# Altium PCB SVEC.pcbdoc (part 2 of 18)
Units mil, origin at the board's own origin, x right, y up, seen from the top; angles counter-clockwise.
Board outline 6349.25 x 9237.04 mil, 10 copper layers (Top Layer, L2 GND, L3, L4 PWR3.3, L5, L6, L7 GND, L8, L9 PWR, Bottom Layer), stack 58.268 mil thick; 906 components, 904 nets, 4753 pads, 3116 vias.
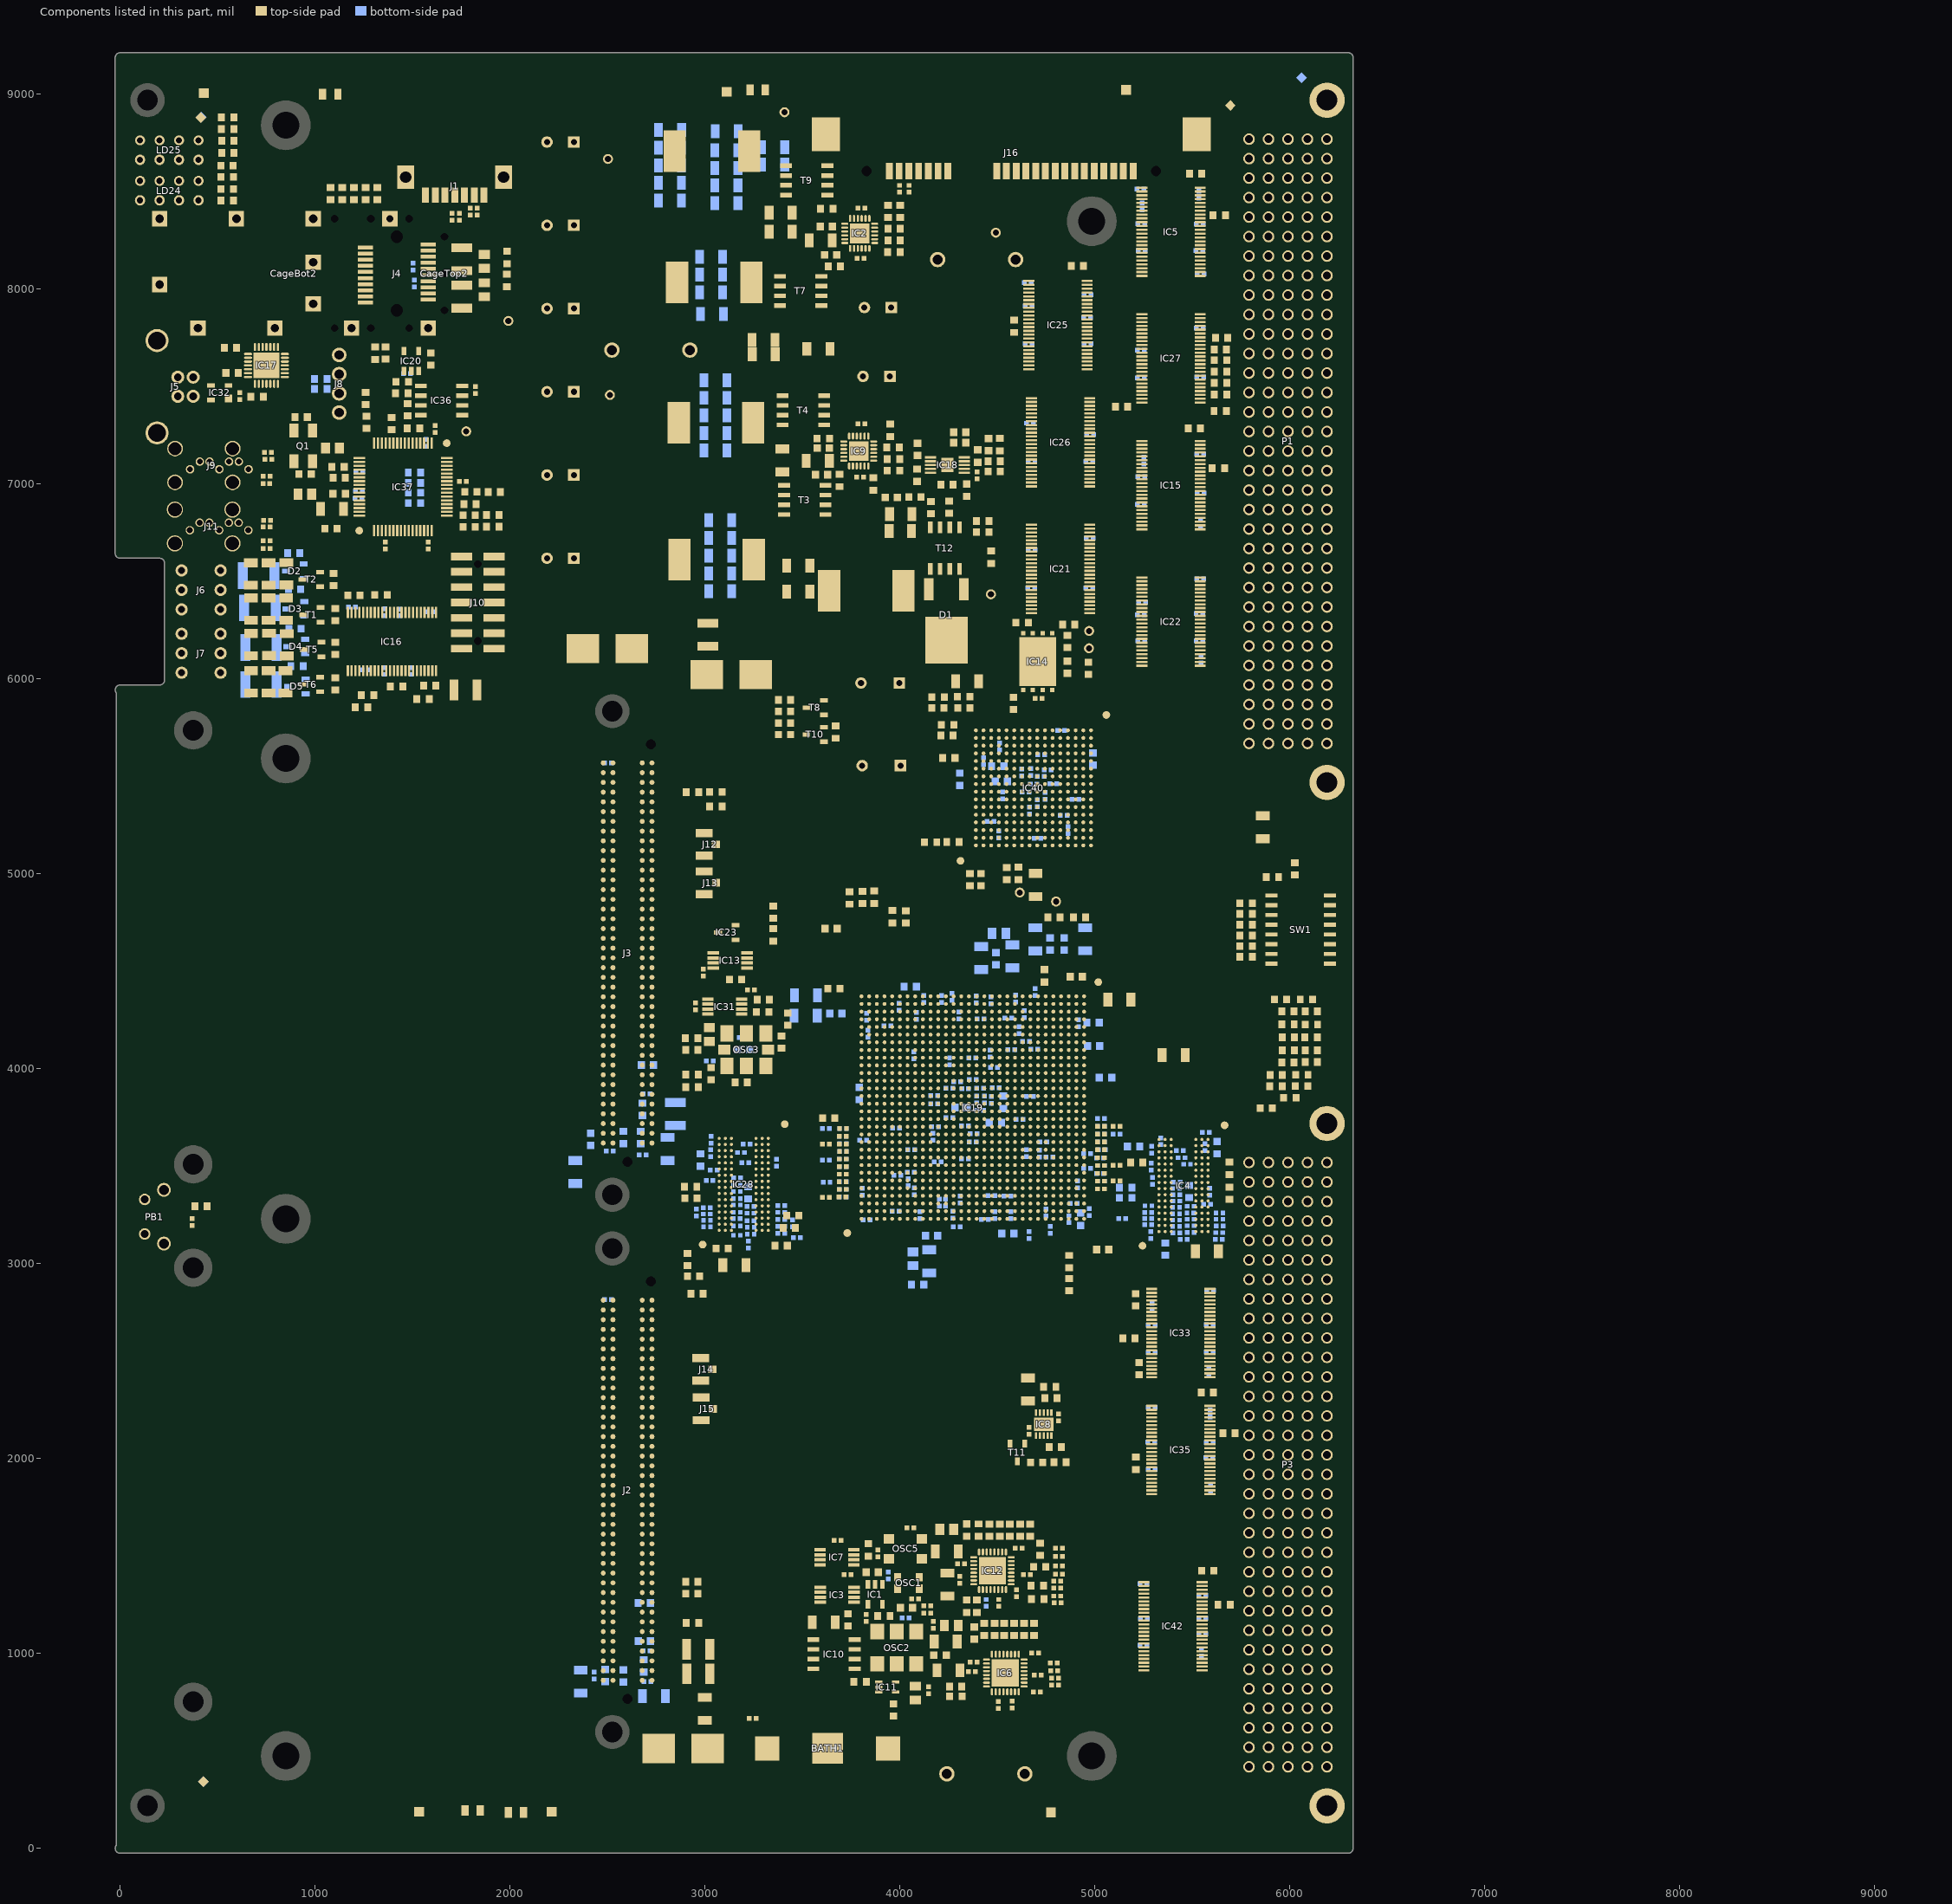
[diagram p10: the components of this part, seen from the top]

## Components (designator, comment, footprint, x,y, rotation, side; value= is the part's Value field where it differs from the comment) (continued)
C378 "100nF" CAPC1005X55N 4771.55,3172.51 r270 bottom
C379 "22uF" CAPC3216X180N 5125.55,4353.51 r180 top
C380 "22uF" CAPC3216X180N 3517.55,4376.51 r0 bottom
C381 "22uF" CAPC3216X180N 4417.55,4567.51 r90 bottom
C382 "22uF" CAPC3216X180N 5403.55,4069.51 r180 top
C383 "100nF" CAPC1005X55N 3470.69,3133.64 r180 bottom
C384 "100nF" CAPC1005X55N 4058.55,3584.51 r180 bottom
C385 "100nF" CAPC1005X55N 3028.55,3565.51 r90 bottom
C386 "100nF" CAPC1005X55N 4807.69,1371.64 r180 top
C387 "100nF" CAPC1005X55N 4041.69,3417.64 r270 bottom
C388 "100nF" CAPC1005X55N 3366.55,3517.51 r90 bottom
C389 "100nF" CAPC1005X55N 3044.55,3479.51 r0 bottom
C390 "100nF" CAPC1005X55N 2501.55,2814.51 r180 bottom
C391 "100nF" CAPC1005X55N 3828.69,3223.64 r0 bottom
C392 "100nF" CAPC1005X55N 4808.69,1259.64 r180 top
C393 "100nF" CAPC1005X55N 3023.55,3426.51 r0 bottom
C394 "100nF" CAPC1005X55N 3031.55,3634.51 r90 bottom
C395 "1uF" CAPC1608X87N 3390.55,3092.51 r180 top
C396 "1uF" CAPC1608X87N 2976.55,3531.51 r90 bottom
C397 "100nF" CAPC1005X55N 3620.69,3612.64 r0 top
C398 "100nF" CAPC1005X55N 3449.55,3207.51 r90 bottom
C399 "100nF" CAPC1005X55N 3620.55,3692.51 r0 bottom
C400 "100nF" CAPC1005X55N 3623.55,3418.51 r0 bottom
C401 "100nF" CAPC1005X55N 3214.55,3612.51 r180 bottom
C402 "100nF" CAPC1005X55N 3163.69,3439.64 r0 bottom
C403 "100nF" CAPC1005X55N 3619.55,3531.51 r0 bottom
C404 "100nF" CAPC1005X55N 3620.55,3340.51 r0 top
C405 "100nF" CAPC1005X55N 2955.55,3262.51 r270 bottom
C406 "100nF" CAPC1005X55N 3222.69,3096.64 r90 bottom
C407 "100nF" CAPC1005X55N 4814.69,1539.64 r180 top
C408 "100nF" CAPC1005X55N 4814.69,1406.64 r180 top
C412 "10uF" CAPC3225X270N 3014.18,6225.79 r90 top
C431 "1uF" CAPC1608X87N 2688.55,1259.51 r180 bottom
C435 "150uF" CAPPR500-1050X800 3904.55,5554.51 r180 top
C436 "100nF" CAPC1005X55N 5542.55,6798.51 r90 bottom
C437 "100nF" CAPC1005X55N 5236.55,7685.51 r180 bottom
C447 "100nF" CAPC1005X55N 5588.55,2082.51 r180 bottom
C453 "1uF" CAPC1608X87N 4205.55,991 r180 top
C457 "100nF" CAPC1005X55N 5251.55,7119.51 r270 bottom
C464 "100nF" CAPC1005X55N 4667.55,7311.51 r180 bottom
C465 "100nF" CAPC1005X55N 5550.55,1099.51 r0 bottom
C468 "1uF" CAPC1608X87N 3857.55,1417 r180 top
C500 "100nF" CAPC1005X55N 5236.55,6328.51 r0 bottom
C501 "100nF" CAPC1005X55N 4971.55,6465.51 r180 bottom
C506 "100nF" CAPC1005X55N 5238.55,7036.51 r0 bottom
C507 "100nF" CAPC1005X55N 5236.55,6895.51 r180 bottom
C512 "100nF" CAPC1005X55N 5235.55,7544.51 r180 bottom
C513 "100nF" CAPC1005X55N 4961.55,7718.51 r180 bottom
C516 "100nF" CAPC1005X55N 4660.55,7913.51 r180 bottom
C517 "100nF" CAPC1005X55N 4660.55,7719.51 r0 bottom
C519 "100nF" CAPC1005X55N 5238.55,6195.51 r180 bottom
C520 "100nF" CAPC1005X55N 5550.55,1180.51 r0 bottom
C521 "100nF" CAPC1005X55N 4959.55,7853.51 r180 bottom
C522 "100nF" CAPC1005X55N 4975.55,7252.51 r0 bottom
CageBot2 "SFP" TYCO_6367034-1 1419.55,8079.51 r0 top locked
CageTop2 "SFP" TYCO_6367035-1 1419.55,8079.51 r0 top locked
D1 "50WQ06FNPbF" TO228P991X239-3N-R546X521 4238.55,6296.51 r270 top
D2 "BAR66" SOT95P240X110-3N 896.55,6552.51 r180 bottom
D3 "BAR66" SOT95P240X110-3N 899.69,6358.64 r180 bottom
D4 "BAR66" SOT95P240X110-3N 903.55,6165.51 r180 bottom
D5 "BAR66" SOT95P240X110-3N 906.69,5960.64 r180 bottom
F1 "3A-125V" FUSE_LITTELFUSE_0154 3134.55,6021.51 r180 top
F2 "0.14A-60V" FUSRC4632X90N 710.55,6529.51 r180 bottom
F3 "3A-125V" FUSE_LITTELFUSE_0154 2888.55,512.51 r180 top
F4 "3A-125V" FUSE_LITTELFUSE_0154 2499.55,6155.51 r0 top
F5 "0.14A-60V" FUSRC4632X90N 717.55,6364.51 r180 bottom
F6 "0.14A-60V" FUSRC4632X90N 722.55,6160.51 r180 bottom
F7 "0.14A-60V" FUSRC4632X90N 722.55,5971.51 r180 bottom
FTG1 "Use only in PCB" FIDUCIAL_TOP_S100-200 5694.55,8941.51 r90 top
FTG2 "Use only in PCB" FIDUCIAL_TOP_S100-200 414.55,8879.51 r90 top
FTG3 "Use only in PCB" FIDUCIAL_TOP_S100-200 427.55,342.51 r90 top
FTG4 "Use only in PCB" FIDUCIAL_TOP_S100-200 415.55,8881.51 r270 bottom
FTG5 "Use only in PCB" FIDUCIAL_TOP_S100-200 427.55,342.51 r270 bottom
FTG6 "Use only in PCB" FIDUCIAL_TOP_S100-200 6060.55,9083.51 r270 bottom
IC1 "LP5951MF-3.0/NOPB" SOT95P284X122-5N 3872.55,1303 r270 top
IC2 "TPS53126RGET" QFN50P400X400X100-25N-S255 3793.92,8284.88 r180 top
IC3 "AD5662BRMZ-1" SOP65P490X110-8N 3677.55,1301 r180 top locked
IC4 "MT41J128M16HA-15E" BGA96C80P9X16_900X1400X120 5454.55,3400.51 r0 top locked
IC5 "SN74VMEH22501DGGR" SOP50P810X120-48N 5390.55,8293.51 r0 top
IC6 "CDCM61004RHBT" QFN50P500X500X100-33N-S355 4540.55,899.51 r180 top
IC7 "AD5662BRMZ-1" SOP65P490X110-8N 3676.55,1493 r180 top
IC8 "TPS51200DRCT" SON50P300X300X100-11N-R175X250 4737.55,2176.51 r270 top
IC9 "TPS53126RGET" QFN50P400X400X100-25N-S255 3788.55,7168.51 r180 top locked
IC10 "LM336M-2.5/NOPB" SOIC127P600X175-8N 3661.55,996 r180 top
IC11 "SN74LVC1GU04DCK" SOT65P210X110-5N 3934.55,827 r0 top
IC12 "CDCM61004RHBT" QFN50P500X500X100-33N-S355 4474.55,1424 r180 top locked
IC13 "DS18B20U+" SOP65P490X110-8N 3129.55,4555.51 r180 top
IC14 "M25P128-VME6G" PSON127P800X600X100-9N-R640X480 4706.55,6088.51 r270 top
IC15 "SN74VMEH22501DGGR" SOP50P810X120-48N 5390.55,6993.51 r0 top
IC16 "SN74VMEH22501DGGR" SOP50P810X120-48N 1394.55,6191.51 r90 top
IC17 "CP2103-GM" QFN50P500X500X100-29N-S335 750.69,7607.64 r0 top locked
IC18 "TPS40210DGQ" SOP50P490X110-11N-R157X188 4243.69,7096.64 r180 top
IC19 "XC6SLX150T-2FGG900C" BGA900C100P30X30_3100X3100X260 4373.55,3800.51 r180 top locked
IC20 "SN65LVDS2DBVR" SOT95P280X145-5N 1493.55,7630.51 r90 top
IC21 "SN74VMEH22501DGGR" SOP50P810X120-48N 4823.55,6563.51 r0 top
IC22 "SN74VMEH22501DGGR" SOP50P810X120-48N 5390.55,6293.51 r0 top
IC23 "MCP809T-315I/TT" SOT95P237X112-3N 3111.55,4698.51 r180 top
IC25 "SN74VMEH22501DGGR" SOP50P810X120-48N 4810.55,7814.51 r0 top
IC26 "SN74VMEH22501DGGR" SOP50P810X120-48N 4823.55,7213.51 r0 top
IC27 "SN74VMEH22501DGGR" SOP50P810X120-48N 5390.55,7643.51 r0 top
IC28 "MT41J128M16HA-15E" BGA96C80P9X16_900X1400X120 3198.55,3406.51 r0 top locked
IC31 "24LC64-I/MS" SOP65P490X110-8N 3101.55,4318.51 r0 top
IC32 "PRTR5V0U2X" SOT190P230X110-4N 510.69,7467.64 r180 top
IC33 "SN74VMEH22501DGGR" SOP50P810X120-48N 5440.55,2643.51 r0 top
IC35 "SN74VMEH22501DGGR" SOP50P810X120-48N 5440.55,2043.51 r0 top
IC36 "M93C46-MN6P" SOIC127P600X175-8N 1648.99,7427.51 r0 top
IC37 "FT2232HL" QFP50P1200X1200X160-64N 1450.99,6984.51 r0 top locked
IC40 "XC6SLX9-2FTG256C" BGA256C100P16X16_1700X1700X155 4684.55,5440.51 r180 top locked
IC42 "SN74VMEH22501DGGR" SOP50P810X120-48N 5400.55,1139.51 r0 top
J1 "SATA" 3M_5607-4200-SH 1716.07,8480.73 r180 top locked
J2 "VITA 57" SAMTEC_ASP-134603-01 2603.05,1837.26 r90 top locked
J3 "VITA 57" SAMTEC_ASP-134603-01 2603.05,4593.51 r90 top locked
J4 "SFP" TYCO_1367073-1 1419.55,8079.51 r0 top locked
J5 "USB" TYCO_292304-1 335.55,7498.51 r270 top locked
J6 "LEMO 00" LEMO_EPY.00.250.NTNY 415.55,6456.01 r180 top locked
J7 "LEMO 00" LEMO_EPY.00.250.NTNY 415.55,6131.01 r180 top locked
J8 "KK®" MOLEX_22-04-1041 1123.69,7513.64 r90 top
J9 "E-SATA" FCI_10074141-001LF#1 429.55,7094.51 r270 top locked
J10 "Milli-Grid" MOLEX_87832-1420 1834.55,6391.51 r270 top locked
J11 "E-SATA" FCI_10074141-001LF#2 428.55,6781.51 r270 top
J12 "U.FL" HIROSE_U.FL-R-SMT-1(10) 2995.69,5150.64 r90 top
J13 "U.FL" HIROSE_U.FL-R-SMT-1(10) 2996.55,4953.64 r90 top
J14 "U.FL" HIROSE_U.FL-R-SMT-1(10) 2977.69,2457.64 r90 top
J15 "U.FL" HIROSE_U.FL-R-SMT-1(10) 2980.69,2254.64 r90 top
J16 "SATA" MOLEX_87703-0001 4570.69,8604.64 r180 top locked
L1 "220R@100MHz" INDC2012X105N 4263.55,1143 r180 top
L2 "220R@100MHz" INDC2012X105N 4240,1637 r180 top
L3 "1.5uH" IND_BOURNS_SRR1260 3059.55,6611.51 r180 top
L4 "1.5uH" IND_BOURNS_SRR1260 3056.55,7313.51 r180 top
L5 "220R@100MHz" INDC2012X105N 1868.55,8141.51 r90 top
L6 "220R@100MHz" INDC2012X105N 3022.55,4175.51 r90 top
L7 "220R@100MHz" INDC2012X105N 947.69,6947.64 r0 top
L8 "220R@100MHz" INDC2012X105N 4066.69,3024.64 r90 bottom
L9 "220R@100MHz" INDC2012X105N 4507.55,4694.51 r0 bottom
L10 "220R@100MHz" INDC2012X105N 1089.55,7183.51 r0 top
L11 "220R@100MHz" INDC2012X105N 1867.55,7995.51 r270 top
L12 "1.5uH" IND_BOURNS_SRR1260 3047.55,8033.51 r180 top
L13 "1.5uH" IND_BOURNS_SRR1260 3035.55,8707.51 r180 top
L14 "1.5uH" IND_BOURNS_SRR1260 3827.55,6451.51 r0 top
L21 "220R@100MHz" INDC2012X105N 4078.55,797 r270 top
LD5 "Red" LEDC1608X80N_RED 6059.69,3911.64 r0 top
LD7 "Red" LEDC1608X80N_RED 3407.88,5713.98 r180 top
LD8 "Red" LEDC1608X80N_RED 5999.69,3851.64 r0 top
LD9 "Red" LEDC1608X80N_RED 6084.69,4355.64 r0 top
LD10 "Red" LEDC1608X80N_RED 6061.69,3968.64 r0 top
LD12 "Red" LEDC1608X80N_RED 4195.69,5906.64 r180 top
LD15 "Red" LEDC1608X80N_RED 1985.74,8161.69 r270 top
LD17 "Red" LEDC1608X80N_RED 3407.88,5832.09 r180 top
LD18 "Red" LEDC1608X80N_RED 4194.69,5850.64 r180 top
LD19 "Red" LEDC1608X80N_RED 4701.55,1979.51 r0 top
LD24 "HE Red" LED_BIVAR_H485CHDL 252.55,8504.51 r0 top
LD25 "HE Red" LED_BIVAR_H485CHDL 252.55,8712.51 r0 top locked
OSC1 "25MHz" OSC_RAKON_IVT3200C 4043.55,1362 r270 top
OSC2 "20MHz" OSC_IQD_CFPV-45 3983.55,1030 r270 top
OSC3 "10-280MHz" OSC_SILICON-LAB_SI570 3211.55,4097.51 r90 top
OSC5 "25MHz" OSCCC320X500X160-4N 4028.55,1537 r270 top
P1 "HAR-BUS 64" "HARTING_02 01 160 2101" 6190.55,8768.51 r0 top locked
P3 "HAR-BUS 64" "HARTING_02 01 160 2101" 6190.55,3518.51 r0 top locked
PB1 "Push Button" PB_ALPS_SKHHLQA010 175.55,3240.51 r0 top
Q1 "12MHZ" XTAL_ABRACON_ABM3B 939.69,7194.64 r180 top
R1 "0" RESC1608X55N 4433.08,1123 r270 top
R2 "1k1" RESC1608X55N 5878.69,3797.64 r0 top
R3 "1k1" RESC1608X55N 5951.55,4355.51 r0 top
R4 "0" RESC1608X55N 4403.55,1633 r270 top
R5 "0" RESC1608X55N 4563.55,1632 r270 top
R6 "0" RESC1608X55N 4342.55,1242 r90 top
R7 "1k1" RESC1608X55N 5929.55,3967.51 r0 top
R8 "0" RESC1608X55N 4394.55,1242 r90 top
R9 "240" RESC1608X55N 3917.55,1192 r180 top
R10 "0" RESC1608X55N 4511.55,1632 r270 top
R11 "5k1" RESC1608X55N 3606.55,7232.51 r0 top
R12 "5k1" RESC1608X55N 3663.78,8115.55 r0 top
R13 "39" RESC1608X55N 3350.55,4802.51 r270 top
R14 "5k1" RESC1608X55N 4867.55,3010.51 r90 top
R15 "240" RESC1608X55N 3838,1531 r90 top
R16 "100" RESC1608X55N 3031.55,3974.51 r270 top
R17 "0" RESC1608X55N 4867.55,2891.51 r90 top
R18 "5k1" RESC1608X55N 3392.55,4136.51 r90 top
R19 "5k1" RESC1608X55N 3424.55,4254.51 r270 top
R20 "5k1" RESC1608X55N 3185.55,3929.51 r180 top
R21 "5k1" RESC1608X55N 3961.55,4779.51 r270 top
R22 "3k3" RESC1608X55N 3966.55,7127.51 r180 top
R23 "0" RESC1608X55N 4458.55,1632 r270 top
R24 "0" RESC1608X55N 4668.55,1632 r270 top
R25 "0" RESC1608X55N 4616.55,1632 r270 top
R26 "7k5" RESC1608X55N 3938.92,8397.88 r270 top
R27 "39" RESC1608X55N 3795.69,854.64 r180 top
R28 "150" RESC3216X65N 669.69,6537.64 r90 top
R29 "1k1" RESC1608X55N 2932.55,1367.51 r180 top
R30 "1k1" RESC1608X55N 2932.55,1306.51 r180 top
R31 "150" RESC3216X65N 762.55,6357.51 r90 top
R32 "4k7" RESC1608X55N 6110.55,4226.51 r180 top
R33 "4k7" RESC1608X55N 6109.55,4293.51 r180 top
R34 "4k7" RESC1608X55N 3157.55,4457.51 r180 top
R35 "4k7" RESC1608X55N 6109.55,4094.51 r180 top
R36 "240" RESC1608X55N 4719.55,1534.51 r90 top
R37 "150" RESC3216X65N 671.55,6357.51 r90 top
R38 "4k7" RESC1608X55N 6109.55,4033.51 r180 top
R39 "51" RESC1005X40N 5416.55,3288.51 r0 bottom
R40 "51" RESC1005X40N 5274.55,3296.51 r180 bottom
R41 "51" RESC1005X40N 5417.55,3352.51 r0 bottom
R42 "51" RESC1005X40N 5417.55,3157.51 r0 bottom
R43 "51" RESC1005X40N 5490.55,3194.51 r180 bottom
R44 "51" RESC1005X40N 5416.55,3191.51 r0 bottom
R45 "51" RESC1005X40N 5273.55,3199.51 r180 bottom
R46 "51" RESC1005X40N 5273.55,3230.51 r180 bottom
R47 "51" RESC1005X40N 5273.55,3262.51 r180 bottom
R48 "51" RESC1005X40N 5490.55,3227.51 r180 bottom
R49 "51" RESC1005X40N 5025.55,3542.51 r0 bottom
R50 "51" RESC1005X40N 5030.55,3503.51 r0 bottom
R51 "1k1" RESC1608X55N 2931.55,4156.51 r180 top
R52 "51" RESC1005X40N 5030.55,3703.51 r0 top
R53 "51" RESC1005X40N 5030.55,3623.51 r0 top
R54 "51" RESC1005X40N 5035.55,3583.51 r0 bottom
R55 "51" RESC1005X40N 5030.55,3743.51 r0 bottom
R56 "51" RESC1005X40N 5030.55,3463.51 r0 top
R57 "51" RESC1005X40N 5030.55,3383.51 r0 top
R58 "51" RESC1005X40N 5030.55,3503.51 r0 top
R59 "51" RESC1005X40N 4960.55,3488.51 r0 bottom
R60 "5k1" RESC1608X55N 3863.55,6999.51 r270 top
R61 "51" RESC1005X40N 5638.55,3259.51 r0 bottom
R62 "51" RESC1005X40N 5417.55,3320.51 r0 bottom
R63 "51" RESC1005X40N 5416.55,3385.51 r0 bottom
R64 "51" RESC1005X40N 5489.55,3259.51 r180 bottom
R65 "51" RESC1005X40N 5490.55,3294.51 r180 bottom
R66 "51" RESC1005X40N 5637.55,3158.51 r0 bottom
R67 "51" RESC1005X40N 5639.55,3192.51 r0 bottom
R68 "51" RESC1005X40N 5638.55,3227.51 r0 bottom
R69 "51" RESC1005X40N 5416.55,3223.51 r0 bottom
R70 "51" RESC1005X40N 5416.55,3255.51 r0 bottom
R71 "51" RESC1005X40N 5030.55,3583.51 r0 top
R72 "51" RESC1005X40N 5030.55,3543.51 r0 top
R73 "51" RESC1005X40N 5444.55,3543.51 r0 bottom
R74 "51" RESC1005X40N 5030.55,3663.51 r0 top
R75 "51" RESC1005X40N 5030.55,3623.51 r0 bottom
R76 "51" RESC1005X40N 5030.55,3663.51 r0 bottom
R77 "51" RESC1005X40N 5030.55,3703.51 r0 bottom
R78 "51" RESC1005X40N 5030.55,3423.51 r0 top
R79 "51" RESC1005X40N 5030.55,3423.51 r0 bottom
R80 "51" RESC1005X40N 4960.55,3563.51 r0 bottom
R81 "51" RESC1005X40N 5026.55,3461.51 r0 bottom
R82 "1k1" RESC1608X55N 549.55,8453.51 r180 top
R83 "1k1" RESC1608X55N 549.55,8512.51 r180 top
R84 "1k1" RESC1608X55N 2932.55,4096.51 r180 top
R85 "51" RESC1005X40N 5491.55,3159.51 r180 bottom
R86 "5k1" RESC1608X55N 415.55,3294.51 r180 top
R87 "5k1" RESC1608X55N 5157.55,3389.51 r0 bottom
R88 "5k1" RESC1608X55N 5689.55,3488.51 r270 top
R89 "1k1" RESC1608X55N 549.55,8574.51 r180 top
R90 "5k1" RESC1608X55N 5360.55,3074.51 r90 bottom
R91 "100" RESC1608X55N 5214.55,3518.51 r0 top
R92 "150" RESC3216X65N 851.55,6357.51 r90 top
R93 "3k3" RESC1608X55N 3808.55,4878.51 r90 top
R94 "51" RESC1005X40N 5472.55,3509.51 r180 bottom
R95 "1k1" RESC1608X55N 548.55,8632.51 r180 top
R96 "1k1" RESC1608X55N 552.55,8698.51 r180 top
R97 "39" RESC1608X55N 3661.55,4410.51 r0 top
R98 "1k1" RESC1608X55N 552.55,8759.51 r180 top
R99 "1k1" RESC1608X55N 551.55,8820.51 r180 top
R100 "1k1" RESC1608X55N 551.55,8880.51 r180 top
R101 "2M2" RESC2012X60N 2030.55,184.51 r180 top
R102 "2M2" RESC2012X60N 1808.55,194.51 r180 top
R103 "2M2" RESC2012X60N 3270.08,9021.07 r0 top
R104 "2M2" RESC2012X60N 1077.69,8999.64 r180 top
R105 "100" RESC1608X55N 1593.55,7640.51 r90 top
R106 "150" RESC3216X65N 763.55,6176.51 r90 top
R107 "0" RESC1608X55N 1361.55,7671.51 r270 top
R108 "150" RESC3216X65N 671.55,6175.51 r90 top
R109 "100" RESC1608X55N 1307.69,7670.64 r90 top
R110 "100" RESC1608X55N 5482.55,3369.51 r270 bottom
R111 "150" RESC3216X65N 855.55,6174.51 r90 top
R112 "1k1" RESC1608X55N 1983.74,8043.69 r270 top
R113 "150" RESC3216X65N 761.55,5984.51 r90 top
R114 "150" RESC3216X65N 848.55,5984.51 r90 top
R115 "150" RESC3216X65N 671.55,5984.51 r90 top
R116 "150" RESC3216X65N 853.55,6538.51 r90 top
R117 "150" RESC3216X65N 761.55,6537.51 r90 top
R118 "240" RESC1608X55N 3868.55,4879.51 r270 top
R119 "3k3" RESC1608X55N 4030.55,4778.51 r90 top
R120 "5k1" RESC1608X55N 3690.55,7017.51 r90 top
R121 "0" RESC1608X55N 1029.69,7486.64 r180 bottom
R122 "240" RESC1608X55N 4716.55,1444.51 r180 top
R123 "3k3" RESC1608X55N 3295.55,4290.51 r180 top
R124 "3k3" RESC1608X55N 3299.55,4354.51 r180 top
R125 "7k5" RESC1608X55N 3950.69,7274.64 r270 top
R126 "1k1" RESC1608X55N 5928.55,3910.51 r0 top
R127 "100" RESC1608X55N 3634.55,3746.51 r180 top
R128 "10k" RESC1608X55N 3969.92,8249.88 r180 top
R129 "10k" RESC1608X55N 4000.92,8397.88 r90 top
R130 "10k" RESC1608X55N 4511.55,7201.51 r270 top
R131 "5k1" RESC1608X55N 4790.55,4776.51 r180 top
R132 "0" RESC1608X55N 4920.55,4776.51 r180 top
R133 "4k7" RESC1608X55N 5910.55,4983.51 r0 top
R134 "1k1" RESC1608X55N 4821.55,1981.51 r0 top
R135 "240" RESC1608X55N 4706.55,1279.51 r0 top
R136 "4k7" RESC1608X55N 6025.99,5025 r90 top
R137 "4k7" RESC1608X55N 2909.55,3020.51 r270 top
R138 "240" RESC1608X55N 4704.55,1347.51 r180 top
R139 "4k7" RESC1608X55N 5990.55,4227.51 r180 top
R140 "240" RESC1608X55N 3733.55,1172 r270 top
R141 "100" RESC1608X55N 5157.55,3337.51 r180 bottom
R142 "4k7" RESC1608X55N 5992.55,4094.51 r180 top
R143 "4k7" RESC1608X55N 5992.55,4160.51 r180 top
R144 "4k7" RESC1608X55N 5775.55,4848.51 r180 top
R145 "100" RESC1608X55N 4359.55,4969.51 r90 top
R146 "10k" RESC1608X55N 4768.55,2367.51 r180 top
R147 "7k5" RESC1608X55N 3966.55,7068.51 r180 top
R148 "4k7" RESC1608X55N 5989.55,4032.51 r180 top
R149 "4k7" RESC1608X55N 5775.55,4793.51 r180 top
R150 "10k" RESC1608X55N 4796.55,2058.51 r0 top
R151 "4k7" RESC1608X55N 5775.55,4738.51 r180 top
R152 "39" RESC1608X55N 3966.55,710.51 r270 top
R153 "3k3" RESC1608X55N 3964.55,7187.51 r0 top
R154 "0" RESC1608X55N 1029.69,7538.64 r180 bottom
R155 "5k1" RESC1608X55N 3624.41,8410.83 r0 top
R156 "7k5" RESC1608X55N 3969.92,8309.88 r0 top
R157 "10k" RESC1608X55N 5210.55,1975.51 r90 top
R158 "10k" RESC1608X55N 5642.55,7374.51 r180 top
R159 "4k7" RESC1608X55N 5775.55,4683.51 r180 top
R160 "4k7" RESC1608X55N 5775.55,4628.51 r180 top
R161 "4k7" RESC1608X55N 5775.55,4573.51 r180 top
R162 "4k7" RESC1608X55N 5989.55,4293.51 r180 top
R163 "4k7" RESC1608X55N 6108.55,4160.51 r180 top
R164 "10k" RESC1608X55N 1199.55,6428.51 r180 top
R165 "10k" RESC1608X55N 1338.55,6430.51 r180 top
R166 "10k" RESC1608X55N 5136.69,7395.64 r180 top
R167 "10k" RESC1608X55N 4483.55,7116.51 r0 top
R168 "10k" RESC1608X55N 3968.92,8189.88 r180 top
R169 "47k" RESC1608X55N 4483.55,7063.51 r180 top
R170 "5k1" RESC1608X55N 4424.55,6752.51 r0 top
R171 "7k5" RESC1608X55N 4424.55,6809.51 r0 top
R172 "1k1" RESC1608X55N 4326.69,5908.64 r180 top
R173 "1k1" RESC1608X55N 4327.55,5850.51 r180 top
R174 "10k" RESC1608X55N 4910.55,8118.51 r180 top
R175 "10k" RESC1608X55N 4585.55,7808.51 r90 top
R176 "10k" RESC1608X55N 5576.55,2339.51 r180 top
R177 "10k" RESC1608X55N 5687.55,2130.51 r0 top
R178 "470k" RESC1608X55N 4241.55,6995.51 r180 top
R179 "10k" RESC1608X55N 5578.55,1424.51 r0 top
R180 "240" RESC1608X55N 3432.55,3182.51 r180 top
R181 "51" RESC1005X40N 3163.55,3300.51 r0 bottom
R182 "51" RESC1005X40N 3391.55,3263.51 r0 bottom
R183 "47k" RESC1608X55N 4467.55,6623.51 r270 top
R184 "39" RESC1608X55N 4159.55,6878.51 r90 top
R185 "10k" RESC1608X55N 5662.55,1250.51 r0 top
R186 "1k1" RESC1608X55N 4076.55,6932.51 r0 top
R187 "10k" RESC1608X55N 4774.55,2310.51 r180 top
R188 "240" RESC1608X55N 5689.55,3360.51 r270 top
R189 "0R22" RESC3216X65N 4003.55,6845.51 r0 top
R190 "10k" RESC1608X55N 5516.55,8591.51 r180 top
R191 "10k" RESC1608X55N 5637.55,8378.51 r0 top
R192 "3k3" RESC1608X55N 4415.55,4969.51 r90 top
R193 "0R22" RESC3216X65N 4001.55,6758.51 r0 top
R194 "39" RESC1608X55N 4252.55,6880.51 r270 top
R195 "10k" RESC1608X55N 1587.55,5964.51 r0 top
R196 "10k" RESC1608X55N 1238.55,5853.51 r180 top
R197 "10k" RESC1608X55N 1269.55,5915.51 r0 top
R198 "10k" RESC1608X55N 1418.55,5960.51 r180 top
R199 "3k3" RESC1608X55N 4548.55,5000.51 r90 top
R200 "3k3" RESC1608X55N 4157.55,5161.51 r180 top
R201 "10k" RESC1608X55N 1553.55,5895.51 r180 top
R202 "240" RESC1608X55N 3740.55,4875.51 r270 top
R203 "10k" RESC1608X55N 5174.55,2616.51 r180 top
R204 "10k" RESC1608X55N 1094.55,6509.51 r270 top
R205 "10k" RESC1608X55N 1103.55,6329.51 r270 top
R206 "10k" RESC1608X55N 1103.55,6155.51 r270 top
R207 "4k7" RESC1608X55N 3055.55,5344.51 r0 top
R208 "10k" RESC1608X55N 1103.55,5974.51 r270 top
R209 "10k" RESC1608X55N 5208.55,2814.51 r90 top
R210 "10k" RESC1608X55N 5510.55,7285.51 r0 top
R211 "10k" RESC1608X55N 5633.55,7080.51 r180 top
R212 "4k7" RESC1608X55N 2958.55,2845.51 r180 top
R213 "10k" RESC1608X55N 5650.55,7748.51 r0 top
R214 "10k" RESC1608X55N 2941.55,2935.51 r180 top
R215 "10k" RESC1608X55N 3055.55,5419.51 r0 top
R216 "10k" RESC1608X55N 5643.55,7688.51 r0 top
R217 "10k" RESC1608X55N 5644.55,7634.51 r0 top
R218 "10k" RESC1608X55N 1919.55,6957.51 r0 top
R219 "10k" RESC1608X55N 4582.55,5874.51 r270 top
R220 "10k" RESC1608X55N 4244.69,5763.64 r180 top
R221 "1k1" RESC1608X55N 3407.88,5891.14 r0 top
R222 "3k3" RESC1608X55N 4966.55,6054.51 r270 top
R223 "10k" RESC1608X55N 5644.55,7575.51 r0 top
R224 "10k" RESC1608X55N 702.69,7447.64 r0 top
R225 "10k" RESC1608X55N 566.69,7698.64 r0 top
R226 "10k" RESC1608X55N 1444.99,7465.51 r180 top
R227 "10k" RESC1608X55N 1446.99,7523.51 r180 top
R228 "10k" RESC1608X55N 5644.55,7517.51 r0 top
R229 "1k1" RESC1608X55N 3407.88,5773.03 r0 top
R230 "10k" RESC1608X55N 5644.55,7457.51 r0 top
R231 "10k" RESC1608X55N 1504.99,7284.51 r180 top
R232 "12k1" RESC1608X55N 1123.69,7031.64 r0 top
R233 "4k7" RESC1608X55N 2935.55,1157.51 r0 top
R234 "10k" RESC1608X55N 1080.99,6770.51 r180 top
R235 "51" RESC1005X40N 4550.69,3346.64 r0 bottom
R236 "10k" RESC1608X55N 1391.99,7309.51 r90 top
R237 "10k" RESC1608X55N 1263.55,7315.51 r90 top
R238 "3k3" RESC1608X55N 4858.55,6191.51 r270 top
R239 "1k1" RESC1608X55N 3350.55,4686.51 r270 top